# KiCad board ece499_project.kicad_pcb
title: ECE 499 Synthesizer Top PCB; rev: 01; company: UVic
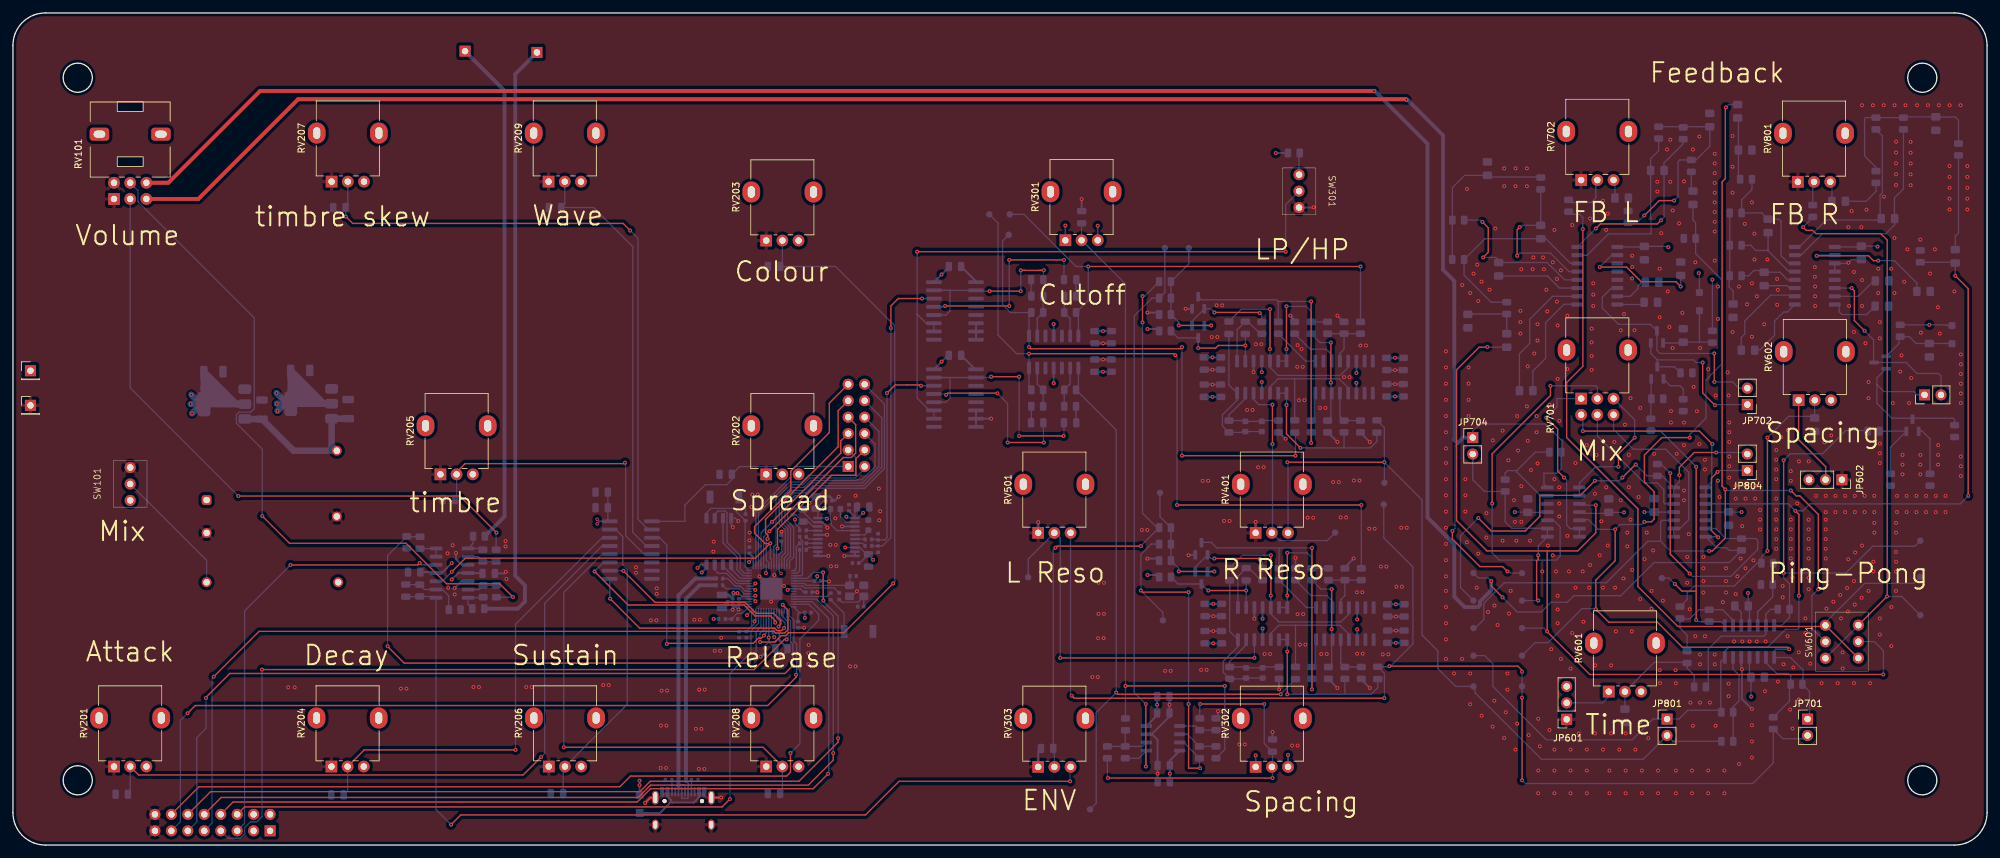
[diagram p0: board, top side]
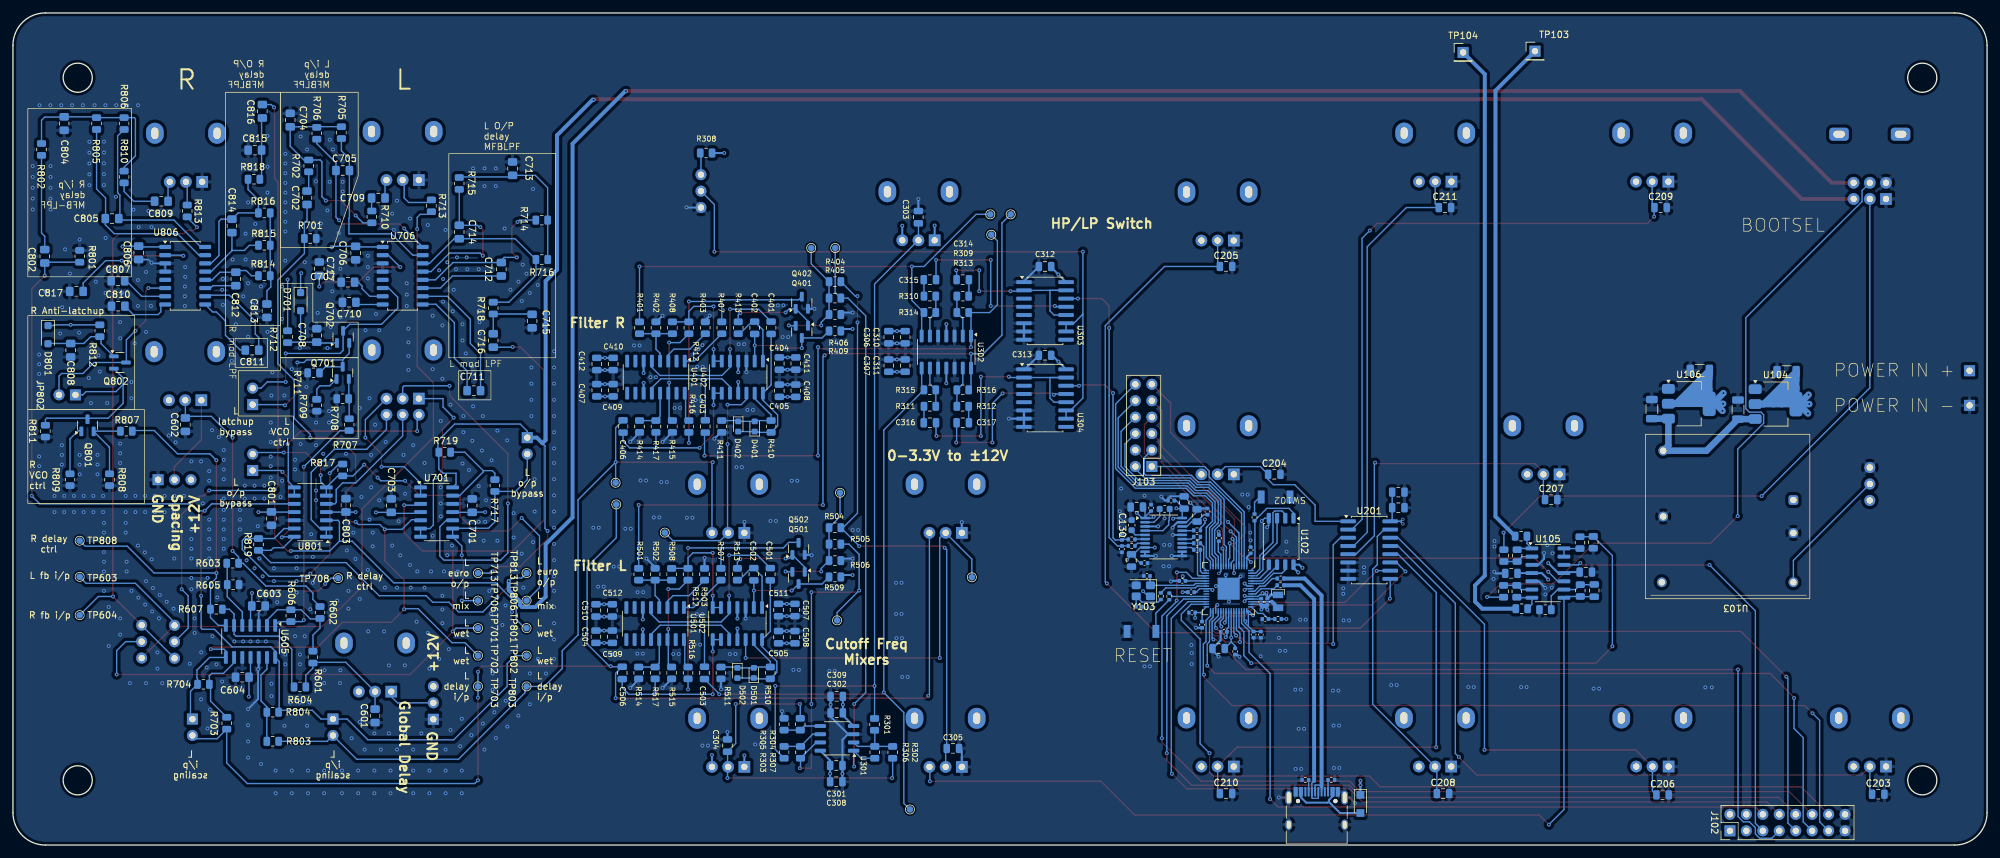
[diagram p1: board, bottom side, seen from below]

Outline 304.8 x 128.5 mm; copper layers: Top, In1.Cu, In2.Cu, In3.Cu, In4.Cu, Bottom. Coordinates in mm from the lower left corner of the outline.
Outline path: circle c10,118.5 r2.25 ; circle c10,10 r2.25 ; circle c294.8,118.5 r2.25 ; circle c294.8,10 r2.25 ; 0,123.5 0,5 arc(1.46,1.46) 5,0 299.8,0 arc(303.34,1.46) 304.8,5 304.8,123.5 arc(303.34,127.04) 299.8,128.5 5,128.5 arc(1.46,127.04) 0,123.5
Stack: Top 0.035mm / dielectric 0.1mm FR4 er 4.5 / In1.Cu 0.035mm / dielectric 0.535mm FR4 er 4.5 / In2.Cu 0.035mm / dielectric 0.1mm FR4 er 4.5 / In3.Cu 0.035mm / dielectric 0.535mm FR4 er 4.5 / In4.Cu 0.035mm / dielectric 0.1mm FR4 er 4.5 / Bottom 0.035mm

## Placement (name value [footprint] x y rotation side)
C101  100n  [C_0805_2012Metric]  73.45 41.95 0 bottom
C102  100n  [C_0805_2012Metric]  61.95 42.15 0 bottom
C103  100n  [C_0402_1005Metric]  121.2 34.03 270 bottom
C104  15p  [C_0402_1005Metric]  129.72 41.56 0 bottom
C105  15p  [C_0402_1005Metric]  130.91 36.81 180 bottom
C106  10u  [C_1206_3216Metric]  38.45 67.25 90 bottom
C107  10u  [C_1206_3216Metric]  30.95 73.1 0 bottom
C108  4.7u  [C_0402_1005Metric]  112.07 37.58 270 bottom
C109  4.7u  [C_0402_1005Metric]  111.13 37.58 270 bottom
C110  10u  [C_1206_3216Metric]  51.75 67.32 90 bottom
C111  4.7u  [C_0805_2012Metric]  118.65 30.35 0 bottom
C112  100n  [C_0805_2012Metric]  60.65 39.3 270 bottom
C113  100n  [C_0402_1005Metric]  116.1 29.9 270 bottom
C114  4.7u  [C_0402_1005Metric]  111.43 34.91 0 bottom
C115  10u  [C_1206_3216Metric]  44.35 73.3 0 bottom
C116  100n  [C_0402_1005Metric]  122.9 39.05 0 bottom
C117  100n  [C_0402_1005Metric]  118.6 47.4 90 bottom
C118  100n  [C_0402_1005Metric]  113.7 45.53 90 bottom
C119  100n  [C_0402_1005Metric]  124.24 40.79 0 bottom
C120  100n  [C_0402_1005Metric]  122.75 35.9 0 bottom
C121  100n  [C_0402_1005Metric]  117.85 32.93 0 bottom
C122  100n  [C_0402_1005Metric]  113.25 32.5 270 bottom
C123  100n  [C_0402_1005Metric]  125.97 53.2 0 bottom
C124  100n  [C_0402_1005Metric]  112.13 32.49 270 bottom
C125  10u  [C_0805_2012Metric]  123.97 52.9 90 bottom
C126  100n  [C_0402_1005Metric]  129.07 52.08 90 bottom
C127  10u  [C_0805_2012Metric]  131.28 52.2 0 bottom
C128  10u  [C_0805_2012Metric]  132.1 43.95 270 bottom
C129  2.2u  [C_0603_1608Metric]  126.97 51.9 180 bottom
C130  2.2u  [C_0603_1608Metric]  132.07 49.4 90 bottom
C131  100n  [C_0402_1005Metric]  130.1 43.55 180 bottom
C132  10u  [C_0805_2012Metric]  121.97 50.9 90 bottom
C133  100n  [C_0402_1005Metric]  120.38 51.5 90 bottom
C134  2.2n  [C_0402_1005Metric]  133.57 47.6 90 bottom
C135  2.2n  [C_0402_1005Metric]  133.57 45.7 270 bottom
C201  10u  [C_0805_2012Metric]  90.9 54.5 180 bottom
C202  100n  [C_0805_2012Metric]  90.9 52.1 180 bottom
C203  100n  [C_0805_2012Metric]  16.8 7.85 180 bottom
C204  100n  [C_0805_2012Metric]  110.05 57.25 180 bottom
C205  100n  [C_0805_2012Metric]  117.5 89.35 180 bottom
C206  100n  [C_0805_2012Metric]  50.1 7.75 180 bottom
C207  100n  [C_0805_2012Metric]  67.3 53.35 180 bottom
C208  100n  [C_0805_2012Metric]  84 7.95 180 bottom
C209  100n  [C_0805_2012Metric]  50.4 98.45 180 bottom
C210  100n  [C_0805_2012Metric]  117.5 7.95 180 bottom
C211  100n  [C_0805_2012Metric]  83.7 98.45 180 bottom
C301  1u  [C_0805_2012Metric]  177.68 12.29 180 bottom
C302  1u  [C_0805_2012Metric]  177.61 20.42 180 bottom
C303  100n  [C_0805_2012Metric]  165.01 96.96 90 bottom
C304  100n  [C_0805_2012Metric]  194.47 15.36 90 bottom
C305  100n  [C_0805_2012Metric]  159.67 14.92 180 bottom
C306  1u  [C_0805_2012Metric]  169.58 78.42 270 bottom
C307  1u  [C_0805_2012Metric]  169.58 74.04 270 bottom
C308  100n  [C_0805_2012Metric]  177.68 9.79 180 bottom
C309  100n  [C_0805_2012Metric]  177.61 22.96 180 bottom
C310  100n  [C_0805_2012Metric]  167.04 78.42 270 bottom
C311  100n  [C_0805_2012Metric]  167.04 74.04 270 bottom
C312  100n  [C_0805_2012Metric]  145.45 89.34 0 bottom
C313  100n  [C_0805_2012Metric]  145.45 75.63 0 bottom
C314  1u  [C_0805_2012Metric]  158.15 87.31 180 bottom
C315  1u  [C_0805_2012Metric]  163.23 87.31 0 bottom
C316  1u  [C_0805_2012Metric]  163.23 65.21 0 bottom
C317  1u  [C_0805_2012Metric]  158.15 65.21 180 bottom
C401  1n  [C_0805_2012Metric]  187.74 79.88 270 bottom
C402  4n7  [C_0805_2012Metric]  190.28 79.88 270 bottom
C403  1n  [C_0805_2012Metric]  197.9 64.64 270 bottom
C404  1u  [C_0805_2012Metric]  186.47 74.36 270 bottom
C405  1u  [C_0805_2012Metric]  186.47 70.16 270 bottom
C406  470n  [C_0805_2012Metric]  210.6 64.64 90 bottom
C407  100n  [C_0805_2012Metric]  214.66 70.23 90 bottom
C408  100n  [C_0805_2012Metric]  183.93 70.16 270 bottom
C409  1u  [C_0805_2012Metric]  212.12 70.23 90 bottom
C410  1u  [C_0805_2012Metric]  212.12 74.29 90 bottom
C411  100n  [C_0805_2012Metric]  183.93 74.36 270 bottom
C412  100n  [C_0805_2012Metric]  214.66 74.29 90 bottom
C501  1n  [C_0805_2012Metric]  187.87 41.82 270 bottom
C502  4n7  [C_0805_2012Metric]  190.41 41.82 270 bottom
C503  1n  [C_0805_2012Metric]  198.03 26.58 270 bottom
C504  1u  [C_0805_2012Metric]  214.79 32.17 90 bottom
C505  1u  [C_0805_2012Metric]  186.6 32.1 270 bottom
C506  470n  [C_0805_2012Metric]  210.73 26.58 90 bottom
C507  100n  [C_0805_2012Metric]  184.06 36.3 270 bottom
C508  100n  [C_0805_2012Metric]  184.06 32.1 270 bottom
C509  1u  [C_0805_2012Metric]  212.25 32.17 90 bottom
C510  1u  [C_0805_2012Metric]  214.79 36.23 90 bottom
C511  100n  [C_0805_2012Metric]  186.6 36.3 270 bottom
C512  100n  [C_0805_2012Metric]  212.25 36.23 90 bottom
C601  100n  [C_0805_2012Metric_Pad1.18x1.45mm_HandSolder]  248.89 19.96 90 bottom
C602  100n  [C_0805_2012Metric_Pad1.18x1.45mm_HandSolder]  278.18 64.92 90 bottom
C603  100n  [C_0805_2012Metric_Pad1.18x1.45mm_HandSolder]  266.89 36.92 0 bottom
C604  100n  [C_0805_2012Metric_Pad1.18x1.45mm_HandSolder]  269.39 25.92 0 bottom
C701  100n  [C_0805_2012Metric_Pad1.18x1.45mm_HandSolder]  233.89 52.42 90 bottom
C702  4.7u  [C_0805_2012Metric_Pad1.18x1.45mm_HandSolder]  259.39 99.96 270 bottom
C703  100n  [C_0805_2012Metric_Pad1.18x1.45mm_HandSolder]  246.39 52.42 90 bottom
C704  4.7n  [C_0805_2012Metric_Pad1.18x1.45mm_HandSolder]  261.99 111.96 270 bottom
C705  2.2n  [C_0805_2012Metric_Pad1.18x1.45mm_HandSolder]  253.89 104.17 0 bottom
C706  100n  [C_0805_2012Metric_Pad1.18x1.45mm_HandSolder]  251.89 91.42 270 bottom
C707  100n  [C_0805_2012Metric_Pad1.18x1.45mm_HandSolder]  253.09 86.92 0 bottom
C708  1u  [C_0805_2012Metric_Pad1.18x1.45mm_HandSolder]  257.89 78.7 270 bottom
C709  22n  [C_0805_2012Metric_Pad1.18x1.45mm_HandSolder]  248.39 99.92 180 bottom
C710  100n  [C_0805_2012Metric_Pad1.18x1.45mm_HandSolder]  252.89 83.82 0 bottom
C711  100n  [C_0805_2012Metric_Pad1.18x1.45mm_HandSolder]  233.64 70.17 180 bottom
C712  100n  [C_0805_2012Metric_Pad1.18x1.45mm_HandSolder]  229.39 88.92 90 bottom
C713  10n  [C_0805_2012Metric_Pad1.18x1.45mm_HandSolder]  227.66 104.46 270 bottom
C714  2.2n  [C_0805_2012Metric_Pad1.18x1.45mm_HandSolder]  235.89 94.67 270 bottom
C715  47n  [C_0805_2012Metric_Pad1.18x1.45mm_HandSolder]  224.64 80.92 90 bottom
C716  4.7u  [C_0805_2012Metric_Pad1.18x1.45mm_HandSolder]  230.64 77.92 90 bottom
C717  47u  [C_0805_2012Metric_Pad1.18x1.45mm_HandSolder]  257.5 89 270 bottom
C801  100n  [C_0805_2012Metric_Pad1.18x1.45mm_HandSolder]  264.89 50.42 270 bottom
C802  4.7u  [C_0805_2012Metric_Pad1.18x1.45mm_HandSolder]  299.89 90.92 270 bottom
C803  100n  [C_0805_2012Metric_Pad1.18x1.45mm_HandSolder]  253.39 52.46 90 bottom
C804  4.7n  [C_0805_2012Metric_Pad1.18x1.45mm_HandSolder]  296.89 111.42 90 bottom
C805  2.2n  [C_0805_2012Metric_Pad1.18x1.45mm_HandSolder]  289.5 96.75 180 bottom
C806  100n  [C_0805_2012Metric_Pad1.18x1.45mm_HandSolder]  285.39 91.46 270 bottom
C807  100n  [C_0805_2012Metric_Pad1.18x1.45mm_HandSolder]  288.59 87.12 0 bottom
C808  1u  [C_0805_2012Metric_Pad1.18x1.45mm_HandSolder]  295.89 76.42 90 bottom
C809  22n  [C_0805_2012Metric_Pad1.18x1.45mm_HandSolder]  281.89 99.42 180 bottom
C810  100n  [C_0805_2012Metric_Pad1.18x1.45mm_HandSolder]  288.55 83.22 0 bottom
C811  100n  [C_0805_2012Metric_Pad1.18x1.45mm_HandSolder]  267.89 76.42 180 bottom
C812  100n  [C_0805_2012Metric_Pad1.18x1.45mm_HandSolder]  270.39 87.42 90 bottom
C813  10n  [C_0805_2012Metric_Pad1.18x1.45mm_HandSolder]  265.59 82.52 90 bottom
C814  2.2n  [C_0805_2012Metric_Pad1.18x1.45mm_HandSolder]  270.99 95.62 90 bottom
C815  47n  [C_0805_2012Metric_Pad1.18x1.45mm_HandSolder]  267.45 107.32 180 bottom
C816  4.7u  [C_0805_2012Metric_Pad1.18x1.45mm_HandSolder]  266.29 113.32 270 bottom
C817  47u  [C_0805_2012Metric_Pad1.18x1.45mm_HandSolder]  295 85.5 180 bottom
D101  PMEG6010ELR  [Nexperia_CFP3_SOD-123W]  96.75 6.35 270 bottom
D401  KT-0603R  [LED_0603_1608Metric]  190.28 64.64 90 bottom
D402  KT-0603R  [LED_0603_1608Metric]  192.82 64.64 270 bottom
D501  KT-0603R  [LED_0603_1608Metric]  190.41 26.58 90 bottom
D502  KT-0603R  [LED_0603_1608Metric]  192.95 26.58 270 bottom
D701  1N4148  [D_SOD-123F]  260.39 83.92 270 bottom
D801  1N4148  [D_SOD-123F]  299.39 78.82 270 bottom
J101  TYPEC-304-ACP16  [USB_C_Receptacle_HRO_TYPE-C-31-M-12]  103.5 4.19 180 bottom
J102  Conn_02x08_Odd_Even  [PinHeader_2x08_P2.54mm_Vertical]  39.7 2.2 90 bottom
J103  Conn_02x06_Odd_Even  [PinHeader_2x06_P2.54mm_Vertical]  128.96 58.46 0 bottom
JP601  Jumper_3_Bridged12  [PinSocket_1x03_P2.54mm_Vertical]  239.89 19.42 180 top
JP602  Jumper_3_Bridged12  [PinSocket_1x03_P2.54mm_Vertical]  282.39 56.42 270 top
JP701  L / i/p / scaling  [PinHeader_1x02_P2.54mm_Vertical]  277.09 19.46 0 top
JP702  L / latchup / bypass  [PinHeader_1x02_P2.54mm_Vertical]  267.79 68.02 180 top
JP704  L / o/p / bypass  [PinHeader_1x02_P2.54mm_Vertical]  225.39 62.92 0 top
JP801  L / i/p / scaling  [PinHeader_1x02_P2.54mm_Vertical]  255.39 19.46 0 top
JP802  L / latchup / bypass  [PinHeader_1x02_P2.54mm_Vertical]  295.15 69.52 90 top
JP804  L / o/p / bypass  [PinHeader_1x02_P2.54mm_Vertical]  267.79 57.84 180 top
L101  AOTA-B201610S3R3-101-T  [L_0806_2016Metric_Polarity_Indicator]  109.47 38.63 270 bottom
Q401  MMBT3906  [SOT-23]  183 79.25 270 bottom
Q402  MMBT3906  [SOT-23]  183 83.75 90 bottom
Q501  MMBT3906  [SOT-23]  183.5 41.25 270 bottom
Q502  MMBT3906  [SOT-23]  183.5 45.75 90 bottom
Q701  MMBT3904  [SOT-23]  253.89 72.92 90 bottom
Q702  MMBT3904  [SOT-23]  253.83 78.47 90 bottom
Q801  MMBT3904  [SOT-23]  293.29 64.82 90 bottom
Q802  MMBT3904  [SOT-23]  288.29 74.52 180 bottom
R101  5K1  [R_0402_1005Metric]  105.26 10.05 0 bottom
R102  5K1  [R_0402_1005Metric]  101.24 10.05 180 bottom
R103  1k  [R_0402_1005Metric]  127.57 38.43 90 bottom
R104  10k  [R_0805_2012Metric]  68.2 36.35 0 bottom
R105  33R  [R_0402_1005Metric]  109.47 34.91 0 bottom
R106  22k  [R_0805_2012Metric]  62.8 39.3 270 bottom
R107  1K  [R_0402_1005Metric]  113.1 50.6 270 bottom
R108  1K  [R_0402_1005Metric]  126.26 38.39 90 bottom
R109  27R  [R_0402_1005Metric]  109.08 41.16 0 bottom
R110  27R  [R_0402_1005Metric]  109.08 40.12 0 bottom
R111  56R  [R_0402_1005Metric]  121.97 46.6 180 bottom
R112  1k  [R_0402_1005Metric]  121.97 48.6 180 bottom
R113  56R  [R_0402_1005Metric]  121.97 47.6 180 bottom
R114  56R  [R_0402_1005Metric]  121.97 45.6 180 bottom
R115  50k  [R_0805_2012Metric]  74.6 44.7 270 bottom
R116  50k  [R_0805_2012Metric]  74.65 39.19 90 bottom
R117  10k  [R_0805_2012Metric]  72.55 44.7 90 bottom
R118  10k  [R_0805_2012Metric]  72.6 39.19 270 bottom
R119  1k  [R_0805_2012Metric]  71.95 47.7 0 bottom
R120  1k  [R_0805_2012Metric]  71.85 36.5 0 bottom
R121  470R  [R_0402_1005Metric]  132.07 47.2 180 bottom
R122  470R  [R_0402_1005Metric]  132.07 46.2 180 bottom
R123  22k  [R_0805_2012Metric]  62.85 46.7 270 bottom
R124  33k  [R_0805_2012Metric]  60.8 46.75 90 bottom
R301  100K  [R_0805_2012Metric]  171.77 18.64 90 bottom
R302  100K  [R_0805_2012Metric]  168.98 14.32 270 bottom
R303  100K  [R_0805_2012Metric]  185.74 14.32 270 bottom
R304  100K  [R_0805_2012Metric]  183.24 18.66 90 bottom
R305  100K  [R_0805_2012Metric]  185.74 18.66 90 bottom
R306  100K  [R_0805_2012Metric]  171.74 14.32 90 bottom
R307  100K  [R_0805_2012Metric]  183.2 14.32 90 bottom
R308  10k  [R_0805_2012Metric]  197.77 106.87 0 bottom
R309  10k  [R_0805_2012Metric]  158.15 84.77 0 bottom
R310  10k  [R_0805_2012Metric]  163.23 84.77 180 bottom
R311  10k  [R_0805_2012Metric]  163.23 67.75 180 bottom
R312  10k  [R_0805_2012Metric]  158.15 67.75 0 bottom
R313  47k  [R_0805_2012Metric]  158.15 82.23 180 bottom
R314  47k  [R_0805_2012Metric]  163.23 82.23 0 bottom
R315  47k  [R_0805_2012Metric]  163.23 70.29 0 bottom
R316  47k  [R_0805_2012Metric]  158.15 70.29 180 bottom
R401  10K  [R_0805_2012Metric]  208.06 79.88 270 bottom
R402  220  [R_0805_2012Metric]  205.52 79.88 90 bottom
R403  220  [R_0805_2012Metric]  197.9 79.88 90 bottom
R404  100K  [R_0805_2012Metric]  177.88 87.01 0 bottom
R405  100K  [R_0805_2012Metric]  177.88 84.47 0 bottom
R406  1K8  [R_0805_2012Metric]  177.88 81.93 180 bottom
R407  10K  [R_0805_2012Metric]  195.36 79.88 270 bottom
R408  10K  [R_0805_2012Metric]  202.98 79.88 270 bottom
R409  470K  [R_0805_2012Metric]  177.88 79.39 180 bottom
R410  10K  [R_0805_2012Metric]  187.74 64.64 270 bottom
R411  1K8  [R_0805_2012Metric]  195.36 64.64 90 bottom
R412  10K  [R_0805_2012Metric]  200.44 79.88 270 bottom
R413  4K7  [R_0805_2012Metric]  192.82 79.88 270 bottom
R414  220  [R_0805_2012Metric]  208.06 64.64 90 bottom
R415  220  [R_0805_2012Metric]  202.98 64.64 90 bottom
R416  10K  [R_0805_2012Metric]  200.44 64.64 270 bottom
R417  10K  [R_0805_2012Metric]  205.52 64.64 90 bottom
R501  10K  [R_0805_2012Metric]  208.19 41.82 270 bottom
R502  220  [R_0805_2012Metric]  205.65 41.82 90 bottom
R503  220  [R_0805_2012Metric]  198.03 41.82 90 bottom
R504  100K  [R_0805_2012Metric]  177.88 49.01 0 bottom
R505  100K  [R_0805_2012Metric]  177.88 46.47 0 bottom
R506  1K8  [R_0805_2012Metric]  177.88 43.93 180 bottom
R507  10K  [R_0805_2012Metric]  195.49 41.82 270 bottom
R508  10K  [R_0805_2012Metric]  203.11 41.82 270 bottom
R509  470K  [R_0805_2012Metric]  177.88 41.39 180 bottom
R510  10K  [R_0805_2012Metric]  187.87 26.58 270 bottom
R511  1K8  [R_0805_2012Metric]  195.49 26.58 90 bottom
R512  10K  [R_0805_2012Metric]  200.57 41.82 270 bottom
R513  4K7  [R_0805_2012Metric]  192.95 41.82 270 bottom
R514  220  [R_0805_2012Metric]  208.19 26.58 90 bottom
R515  220  [R_0805_2012Metric]  203.11 26.58 90 bottom
R516  10K  [R_0805_2012Metric]  200.57 26.58 270 bottom
R517  10K  [R_0805_2012Metric]  205.65 26.58 90 bottom
R601  100k  [R_0805_2012Metric]  258.49 29.02 270 bottom
R602  200k  [R_0805_2012Metric]  257.39 35.92 90 bottom
R603  300k  [R_0805_2012Metric]  270.88 43.52 180 bottom
R604  100k  [R_0805_2012Metric]  260.49 24.42 180 bottom
R605  100k  [R_0805_2012Metric]  270.8 40.22 180 bottom
R606  100k  [R_0805_2012Metric]  261.89 35.42 90 bottom
R607  100k  [R_0805_2012Metric]  273.39 36.42 180 bottom
R701  100k  [R_0805_2012Metric]  258.89 93.67 0 bottom
R702  10k  [R_0805_2012Metric]  259.14 104.88 90 bottom
R703  100k  [R_0805_2012Metric]  271.79 18.82 270 bottom
R704  27k  [R_0805_2012Metric]  275.39 24.82 180 bottom
R705  10k  [R_0805_2012Metric]  254.09 110.02 270 bottom
R706  10k  [R_0805_2012Metric]  257.89 109.92 270 bottom
R707  10k  [R_0805_2012Metric]  252.89 64.92 90 bottom
R708  3k  [R_0805_2012Metric]  253.89 68.92 0 bottom
R709  280  [R_0805_2012Metric]  257.89 67.92 90 bottom
R710  5.1k  [R_0805_2012Metric]  249.39 97.01 90 bottom
R711  50k  [R_0805_2012Metric]  258.39 72.92 180 bottom
R712  10k  [R_0805_2012Metric]  262.39 78.5 270 bottom
R713  1k  [R_0805_2012Metric]  240.19 98.72 270 bottom
R714  10k  [R_0805_2012Metric]  223.16 96.51 180 bottom
R715  10k  [R_0805_2012Metric]  235.89 102.17 270 bottom
R716  20k  [R_0805_2012Metric]  223.14 90.42 0 bottom
R717  39k  [R_0805_2012Metric]  230.39 55.52 270 bottom
R718  2k  [R_0805_2012Metric]  230.64 82.92 90 bottom
R719  100k  [R_0805_2012Metric]  238.14 60.67 180 bottom
R801  100k  [R_0805_2012Metric]  294.49 90.92 270 bottom
R802  10k  [R_0805_2012Metric]  300.39 107.42 90 bottom
R803  100k  [R_0805_2012Metric]  264.69 16.02 180 bottom
R804  27k  [R_0805_2012Metric]  264.69 20.52 0 bottom
R805  10k  [R_0805_2012Metric]  291.89 111.42 270 bottom
R806  10k  [R_0805_2012Metric]  287.64 111.42 270 bottom
R807  10k  [R_0805_2012Metric]  287.29 63.92 0 bottom
R808  3k  [R_0805_2012Metric]  289.89 56.42 270 bottom
R809  280  [R_0805_2012Metric]  295.99 56.42 90 bottom
R810  5.1k  [R_0805_2012Metric]  287.64 103.17 270 bottom
R811  50k  [R_0805_2012Metric]  299.79 63.92 90 bottom
R812  10k  [R_0805_2012Metric]  291.39 79.42 270 bottom
R813  1k  [R_0805_2012Metric]  277.89 97.92 270 bottom
R814  10k  [R_0805_2012Metric]  265.99 87.92 180 bottom
R815  10k  [R_0805_2012Metric]  265.99 92.62 0 bottom
R816  20k  [R_0805_2012Metric]  265.99 97.62 0 bottom
R817  39k  [R_0805_2012Metric]  253.89 57.92 270 bottom
R818  2k  [R_0805_2012Metric]  267.59 102.82 0 bottom
R819  100k  [R_0805_2012Metric]  266.89 46.42 90 bottom
RV101  10k dual gang log  [Potentiometer_Alps_RK09L_Double_Vertical]  15.6 99.77 90 top
RV201  10k  [Potentiometer_Alpha_RD901F-40-00D_Single_Vertical]  15.6 12.12 90 top
RV202  10k  [Potentiometer_Alpha_RD901F-40-00D_Single_Vertical]  116.3 57.25 90 top
RV203  10k  [Potentiometer_Alpha_RD901F-40-00D_Single_Vertical]  116.3 93.35 90 top
RV204  10k  [Potentiometer_Alpha_RD901F-40-00D_Single_Vertical]  49.17 12.12 90 top
RV205  10k  [Potentiometer_Alpha_RD901F-40-00D_Single_Vertical]  66 57.25 90 top
RV206  10k  [Potentiometer_Alpha_RD901F-40-00D_Single_Vertical]  82.73 12.12 90 top
RV207  10k  [Potentiometer_Alpha_RD901F-40-00D_Single_Vertical]  49.2 102.45 90 top
RV208  10k  [Potentiometer_Alpha_RD901F-40-00D_Single_Vertical]  116.3 12.12 90 top
RV209  10k  [Potentiometer_Alpha_RD901F-40-00D_Single_Vertical]  82.7 102.45 90 top
RV301  10k  [Potentiometer_Alpha_RD901F-40-00D_Single_Vertical]  162.49 93.39 90 top
RV302  10k  [Potentiometer_Alpha_RD901F-40-00D_Single_Vertical]  191.87 12.07 90 top
RV303  10k  [Potentiometer_Alpha_RD901F-40-00D_Single_Vertical]  158.29 12.07 90 top
RV401  110K log  [Potentiometer_Alpha_RD901F-40-00D_Single_Vertical]  191.87 48.21 90 top
RV501  110K log  [Potentiometer_Alpha_RD901F-40-00D_Single_Vertical]  158.29 48.21 90 top
RV601  10k  [Potentiometer_Alpha_RD901F-40-00D_Single_Vertical]  246.39 23.69 90 top
RV602  10k  [Potentiometer_Alpha_RD901F-40-00D_Single_Vertical]  275.71 68.69 90 top
RV701  10k  [Potentiometer_Alpha_RD902F-40-00D_Dual_Vertical]  242.13 68.94 90 top
RV702  10k  [Potentiometer_Alpha_RD901F-40-00D_Single_Vertical]  242.13 102.69 90 top
RV801  10k  [Potentiometer_Alpha_RD901F-40-00D_Single_Vertical]  275.59 102.42 90 top
SW101  SW_SPDT  [SW_SPDT_Toggle_2.54mm]  18.1 53.25 90 top
SW102  TS-1088-AR02016  [SW_SPST_XunPu_TS-1088]  107.62 53.75 0 bottom
SW103  TS-1088-AR02016  [SW_SPST_XunPu_TS-1088]  132.78 32.99 180 bottom
SW301  SW_SPDT  [SW_SPDT_Toggle_2.54mm]  198.57 103.5 270 top
SW601  SW_Push_DPDT  [SW_DPDT_Toggle_2.54mm]  279.85 28.88 90 top
TP1  cutoff_L  [TestPoint_Pad_D1.0mm]  177.55 34.7 180 bottom
TP2  cutoff_R  [TestPoint_Pad_D1.0mm]  177.85 92.2 180 bottom
TP3  HP_in_R  [TestPoint_Pad_D1.0mm]  153.75 94.25 180 bottom
TP4  LP_in_R  [TestPoint_Pad_D1.0mm]  153.9 97.4 180 bottom
TP5  HP_in_L  [TestPoint_Pad_D1.0mm]  166.3 5.5 180 bottom
TP6  LP_in_L  [TestPoint_Pad_D1.0mm]  150.75 97.4 180 bottom
TP7  resonance  [TestPoint_Pad_D1.0mm]  204.15 48.25 180 bottom
TP8  resonance  [TestPoint_Pad_D1.0mm]  156.75 41.35 180 bottom
TP9  cutoff_combined  [TestPoint_Pad_D1.0mm]  181.55 92.2 180 bottom
TP10  cutoff_combined  [TestPoint_Pad_D1.0mm]  177.1 54.4 180 bottom
TP11  filter_out_L  [TestPoint_Pad_D1.0mm]  211.65 52.6 180 bottom
TP12  filter_out_R  [TestPoint_Pad_D1.0mm]  211.75 55.95 180 bottom
TP101  TestPoint_Alt  [PinHeader_1x01_P2.54mm_Vertical]  2.7 73.25 0 top
TP102  TestPoint_Alt  [PinHeader_1x01_P2.54mm_Vertical]  2.7 67.9 0 top
TP103  TestPoint_Alt  [PinHeader_1x01_P2.54mm_Vertical]  69.8 122.6 180 bottom
TP104  TestPoint_Alt  [PinHeader_1x01_P2.54mm_Vertical]  80.9 122.4 180 bottom
TP603  L fb i/p  [TestPoint_Pad_D1.0mm]  294.5 41.42 90 bottom
TP604  R fb i/p  [TestPoint_Pad_D1.0mm]  294.5 35.5 0 bottom
TP701  L / wet  [TestPoint_Pad_D1.0mm]  233 33.5 0 bottom
TP702  L / wet  [TestPoint_Pad_D1.0mm]  233 29.25 0 bottom
TP703  L / delay / i/p  [TestPoint_Pad_D1.0mm]  233 24.5 0 bottom
TP706  L / mix  [TestPoint_Pad_D1.0mm]  233 37.75 0 bottom
TP708  R delay / ctrl  [TestPoint_Pad_D1.0mm]  254.59 41.22 0 bottom
TP713  L / euro / o/p  [TestPoint_Pad_D1.0mm]  233 42 0 bottom
TP801  L / wet  [TestPoint_Pad_D1.0mm]  225.5 33.5 0 bottom
TP802  L / wet  [TestPoint_Pad_D1.0mm]  225.5 29.25 0 bottom
TP803  L / delay / i/p  [TestPoint_Pad_D1.0mm]  225.5 24.5 0 bottom
TP806  L / mix  [TestPoint_Pad_D1.0mm]  225.5 37.75 0 bottom
TP808  R delay / ctrl  [TestPoint_Pad_D1.0mm]  294.5 47 0 bottom
TP813  L / euro / o/p  [TestPoint_Pad_D1.0mm]  225.5 42 0 bottom
U102  W25Q128JVS  [SOIC-8_5.3x5.3mm_P1.27mm]  108.99 46.89 270 bottom
U103  RECOM_REC10K-2412DAW/H2  [Converter_DCDC_RECOM_REC10K-AW_THT]  29.9 40.58 0 bottom
U104  AMS1117-3.3  [SOT-223-3_TabPin2]  32.65 68.1 180 bottom
U105  TL074  [SOIC-14_3.9x8.7mm_P1.27mm]  67.8 42 180 bottom
U106  AMS1117-5.0  [SOT-223-3_TabPin2]  46.05 68.15 180 bottom
U107  RP2350A  [RP2350A_QFN60]  117.1 39.59 270 bottom
U109  PCM5100A  [TSSOP-20_4.4x6.5mm_P0.65mm]  127.14 47.57 180 bottom
U201  CD4051BM96  [SOIC-16W_5.3x10.2mm_P1.27mm]  95.4 45.55 180 bottom
U301  TL072CDT  [SO-8_3.9x4.9mm_P1.27mm]  177.58 16.48 0 bottom